# Altium PCB amp.PcbDoc (part 13 of 20)
Units mm, origin at the board's own origin, x right, y up, seen from the top; angles counter-clockwise.
Board outline 210 x 210 mm, 2 copper layers (Top Layer, Bottom Layer); 742 components, 1354 nets, 6402 pads, 5154 vias.
Unrouted connection lines stored in the file: 702.
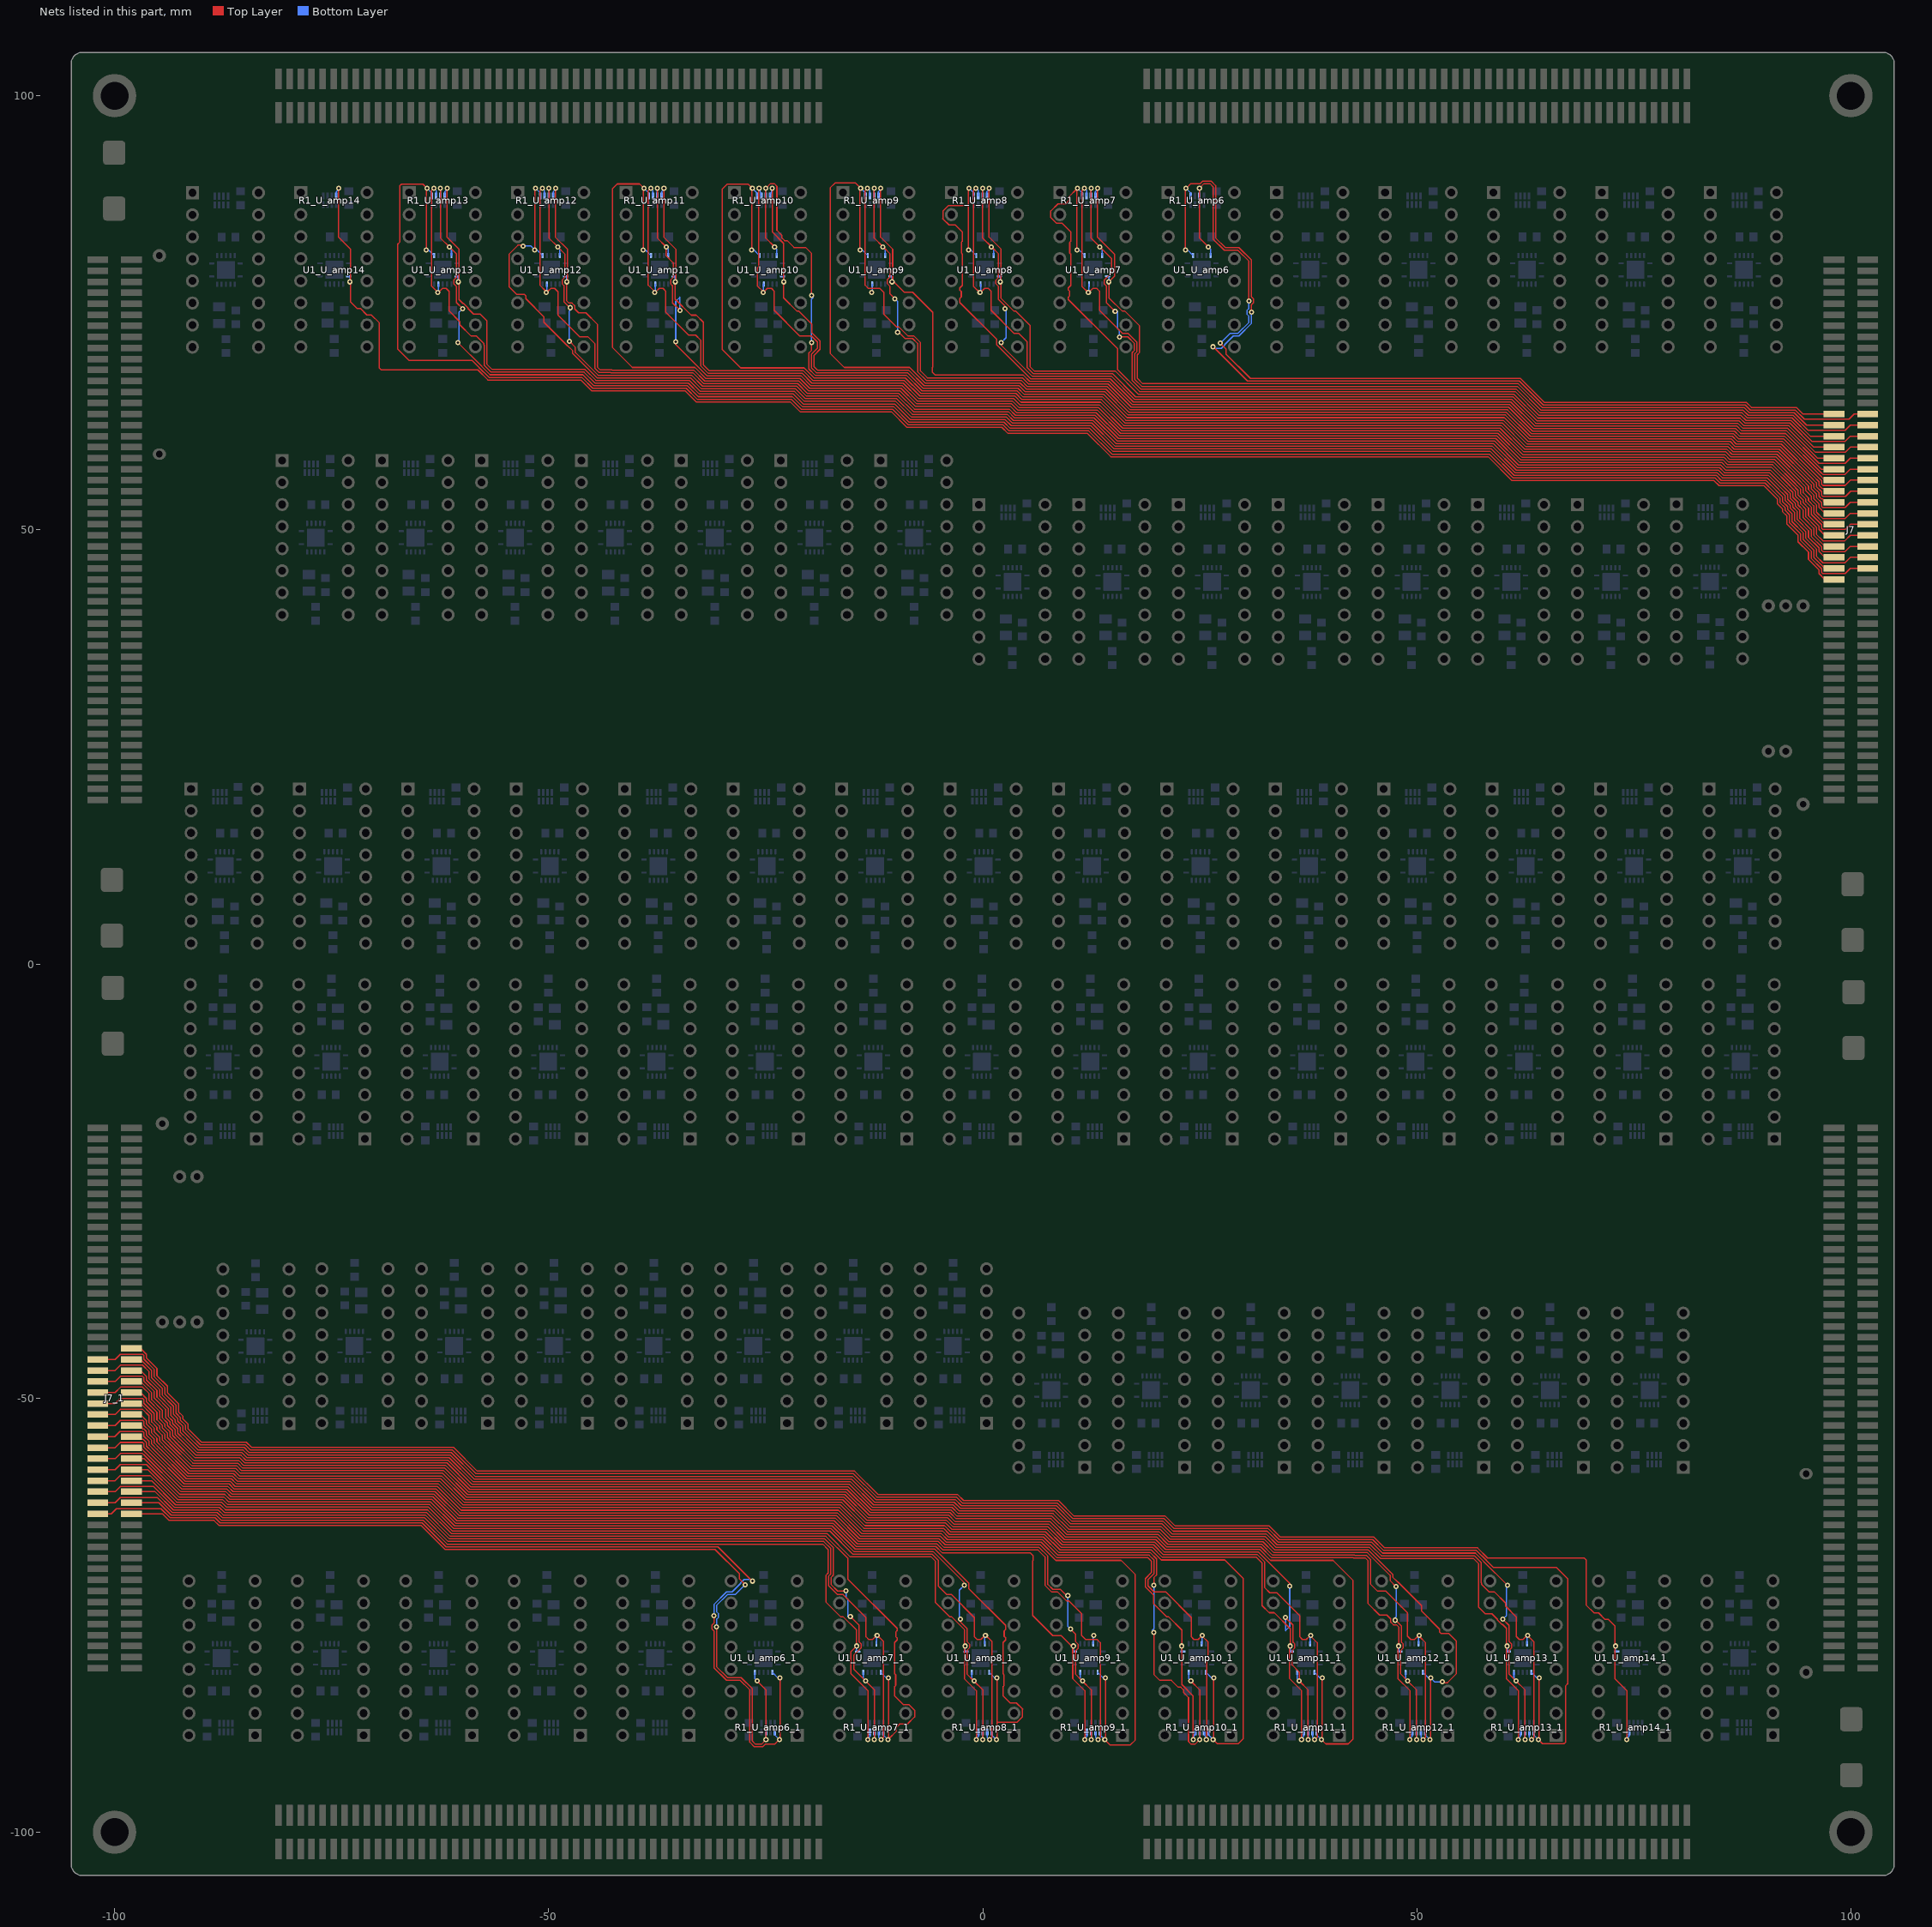
[diagram p13: the nets of this part, all layers, seen from the top]

## Via types
v1: diameter 0.6, hole 0.3, Top Layer to Bottom Layer, tented both sides, 4704 vias
v2: diameter 0.5, hole 0.3, Top Layer to Bottom Layer, 450 vias

## Nets (pads, with @x,y where several pads share a name; then routed paths per layer and width w, separated by ;. In a path a pad name is that pad's centre, name@x,y a point inside that pad or via, vN(x,y) a via of type N, cw(c..) or ccw(c..) an arc to the next point about the centre after c; other vN are vias at no path point) (continued)
NetJ7_42: J7.42 J7_1.42 R1_U_amp14.8 R1_U_amp14_1.8 U1_U_amp14.1 U1_U_amp14_1.1 | length 409.7
  Top Layer w0.15: J7_1.42@-98.05,-44.285 -97.008,-44.285 -96.325,-44.968 -96.325,-45.389 -95.125,-46.589 -95.125,-47.432 -93.925,-48.632 -93.925,-49.394 -92.632,-50.687 -92.632,-51.61 -92.125,-52.118 -92.125,-52.426 -91.525,-53.026 -91.525,-53.561 -89.99,-55.095 -84.823,-55.095 -84.245,-55.674 -60.972,-55.674 -58.224,-58.423 -14.757,-58.423 -12.079,-61.101 -2.913,-61.101 -2.206,-61.808 8.732,-61.808 10.525,-63.602 21.038,-63.602 22.179,-64.743 33.01,-64.743 34.269,-66.002 43.696,-66.002 43.705,-66.011 45.052,-66.011 46.303,-67.261 57.001,-67.261 58.167,-68.428 69.291,-68.428 69.5,-68.636 69.5,-73.843 70.419,-74.762 70.942,-74.762 70.942,-74.758 71.689,-75.504 72.075,-75.504 72.823,-76.252 72.823,-78.482 v1(72.898,-78.557) 72.823,-78.632 72.823,-82.327 74.209,-83.713 74.209,-89.336 v1(74.193,-89.352) ; v1(-74.193,89.352) -74.209,89.336 -74.209,83.713 -72.823,82.327 -72.823,78.632 v1(-72.898,78.557) -72.823,78.482 -72.823,76.252 -72.075,75.504 -71.689,75.504 -70.942,74.758 -70.942,74.762 -70.419,74.762 -69.5,73.843 -69.5,68.636 -69.291,68.428 -58.167,68.428 -57.001,67.261 -46.303,67.261 -45.052,66.011 -43.705,66.011 -43.696,66.002 -34.269,66.002 -33.01,64.743 -22.179,64.743 -21.038,63.602 -10.525,63.602 -8.732,61.808 2.206,61.808 2.913,61.101 12.079,61.101 14.757,58.423 58.224,58.423 60.972,55.674 84.245,55.674 84.823,55.095 89.99,55.095 91.525,53.561 91.525,53.026 92.125,52.426 92.125,52.118 92.632,51.61 92.632,50.687 93.925,49.394 93.925,48.632 95.125,47.432 95.125,46.589 96.325,45.389 96.325,44.968 97.008,44.285 J7.42@98.05,44.285
  Bottom Layer w0.15: R1_U_amp14.8@-74.459,88.455 -74.459,88.959 -74.193,89.225 v1(-74.193,89.352) ; U1_U_amp14.1@-73.035,79.205 -72.898,79.068 v1(-72.898,78.557) ; v1(72.898,-78.557) 72.898,-79.068 U1_U_amp14_1.1@73.035,-79.205 ; v1(74.193,-89.352) 74.193,-89.225 74.459,-88.959 R1_U_amp14_1.8@74.459,-88.455
NetJ7_43: J7.43 J7_1.43 R1_U_amp13.5 R1_U_amp13_1.5 U1_U_amp13.9 U1_U_amp13_1.9 | length 428.5
  Top Layer w0.15: J7_1.43@-101.95,-45.555 -99.938,-45.555 -99.343,-44.96 -96.757,-44.96 -96.625,-45.092 -96.625,-45.513 -95.425,-46.713 -95.425,-47.556 -94.225,-48.756 -94.225,-49.518 -92.932,-50.811 -92.932,-51.735 -92.425,-52.242 -92.425,-52.55 -91.825,-53.15 -91.825,-53.685 -91.073,-54.437 -91.073,-54.441 -90.119,-55.395 -84.948,-55.395 -84.369,-55.974 -61.097,-55.974 -58.348,-58.723 -14.881,-58.723 -12.203,-61.401 -3.038,-61.401 -2.33,-62.108 8.607,-62.108 10.401,-63.902 20.914,-63.902 22.055,-65.043 32.886,-65.043 34.145,-66.302 43.572,-66.302 43.58,-66.311 44.928,-66.311 46.178,-67.561 56.877,-67.561 57.999,-68.684 57.999,-68.7 58.793,-69.494 66.065,-69.494 67.387,-70.816 67.387,-82.905 67.158,-83.134 67.158,-89.611 66.943,-89.825 64.487,-89.825 v1(64.014,-89.352) 64.091,-89.276 v1(64.091,-82.24) ; v1(-64.091,82.24) -64.091,89.276 v1(-64.014,89.352) -64.487,89.825 -66.943,89.825 -67.158,89.611 -67.158,83.134 -67.387,82.905 -67.387,70.816 -66.065,69.494 -58.793,69.494 -57.999,68.7 -57.999,68.684 -56.877,67.561 -46.178,67.561 -44.928,66.311 -43.58,66.311 -43.572,66.302 -34.145,66.302 -32.886,65.043 -22.055,65.043 -20.914,63.902 -10.401,63.902 -8.607,62.108 2.33,62.108 3.038,61.401 12.203,61.401 14.881,58.723 58.348,58.723 61.097,55.974 84.369,55.974 84.948,55.395 90.119,55.395 91.073,54.441 91.073,54.437 91.825,53.685 91.825,53.15 92.425,52.55 92.425,52.242 92.932,51.735 92.932,50.811 94.225,49.518 94.225,48.756 95.425,47.556 95.425,46.713 96.625,45.513 96.625,45.092 96.757,44.96 99.343,44.96 99.938,45.555 J7.43@101.95,45.555
  Bottom Layer w0.15: v1(-64.091,82.24) -63.83,82.24 U1_U_amp13.9@-63.195,81.605 ; v1(-64.014,89.352) -63.469,88.807 R1_U_amp13.5@-63.469,88.455 ; U1_U_amp13_1.9@63.195,-81.605 63.83,-82.24 v1(64.091,-82.24) ; R1_U_amp13_1.5@63.469,-88.455 63.469,-88.807 v1(64.014,-89.352)
NetJ7_44: J7.44 J7_1.44 R1_U_amp13.7 R1_U_amp13_1.7 U1_U_amp13.13 U1_U_amp13_1.13 | length 385.1
  Top Layer w0.15: J7_1.44@-98.05,-45.555 -97.008,-45.555 -95.725,-46.838 -95.725,-47.68 -94.525,-48.88 -94.525,-49.643 -93.232,-50.935 -93.232,-51.859 -92.725,-52.366 -92.725,-52.674 -92.125,-53.274 -92.125,-53.809 -91.373,-54.561 -91.373,-54.565 -90.243,-55.695 -85.072,-55.695 -84.493,-56.274 -61.221,-56.274 -58.473,-59.023 -15.005,-59.023 -12.327,-61.701 -3.162,-61.701 -2.454,-62.408 8.483,-62.408 10.277,-64.202 20.79,-64.202 21.931,-65.343 32.762,-65.343 34.021,-66.602 43.448,-66.602 43.456,-66.611 44.803,-66.611 46.054,-67.861 56.752,-67.861 57.699,-68.808 57.699,-68.824 v1(60.452,-71.577) ; v1(-62.465,89.352) -62.465,83.612 v1(-61.449,82.596) -60.633,81.78 -60.633,79.075 -60.933,78.775 -60.933,78.34 -60.633,78.04 -60.633,76.177 v1(-59.919,75.463) ; v1(-60.452,71.577) -57.699,68.824 -57.699,68.808 -56.752,67.861 -46.054,67.861 -44.803,66.611 -43.456,66.611 -43.448,66.602 -34.021,66.602 -32.762,65.343 -21.931,65.343 -20.79,64.202 -10.277,64.202 -8.483,62.408 2.454,62.408 3.162,61.701 12.327,61.701 15.005,59.023 58.473,59.023 61.221,56.274 84.493,56.274 85.072,55.695 90.243,55.695 91.373,54.565 91.373,54.561 92.125,53.809 92.125,53.274 92.725,52.674 92.725,52.366 93.232,51.859 93.232,50.935 94.525,49.643 94.525,48.88 95.725,47.68 95.725,46.838 97.008,45.555 J7.44@98.05,45.555 ; v1(59.919,-75.463) 60.633,-76.177 60.633,-78.04 60.933,-78.34 60.933,-78.775 60.633,-79.075 60.633,-81.78 v1(61.449,-82.596) 62.465,-83.612 v1(62.465,-89.352)
  Bottom Layer w0.15: R1_U_amp13.7@-62.469,88.455 -62.469,89.348 v1(-62.465,89.352) ; v1(-61.449,82.596) -61.195,82.342 U1_U_amp13.13@-61.195,81.605 ; v1(-60.452,71.577) -60.343,71.686 -60.343,75.039 v1(-59.919,75.463) ; v1(59.919,-75.463) 60.343,-75.039 60.343,-71.686 v1(60.452,-71.577) ; U1_U_amp13_1.13@61.195,-81.605 61.195,-82.342 v1(61.449,-82.596) ; v1(62.465,-89.352) 62.469,-89.348 R1_U_amp13_1.7@62.469,-88.455
NetJ7_45: J7.45 J7_1.45 R1_U_amp13.6 R1_U_amp13_1.6 U1_U_amp13.5 U1_U_amp13_1.5 | length 395.4
  Top Layer w0.15: J7_1.45@-101.95,-46.825 -99.938,-46.825 -99.316,-46.203 -96.784,-46.203 -96.025,-46.962 -96.025,-47.805 -94.825,-49.005 -94.825,-49.767 -93.532,-51.059 -93.532,-51.983 -93.025,-52.491 -93.025,-52.798 -92.425,-53.398 -92.425,-53.934 -91.673,-54.685 -91.673,-54.69 -90.368,-55.995 -85.196,-55.995 -84.617,-56.574 -61.345,-56.574 -58.597,-59.323 -15.13,-59.323 -12.452,-62.001 -3.286,-62.001 -2.578,-62.708 8.359,-62.708 10.153,-64.502 20.665,-64.502 21.806,-65.643 32.637,-65.643 33.896,-66.902 43.324,-66.902 43.332,-66.911 44.679,-66.911 45.93,-68.161 56.628,-68.161 57.399,-68.932 57.399,-71.242 57.467,-71.31 57.467,-71.474 58.307,-72.314 58.928,-72.314 60.223,-73.609 60.223,-73.965 61.468,-75.209 61.468,-77.478 61.802,-77.812 62.237,-77.812 62.737,-77.313 62.77,-77.313 v1(62.77,-77.338) 62.77,-77.38 63.506,-78.116 63.506,-89.073 v1(63.227,-89.352) ; v1(-63.227,89.352) -63.506,89.073 -63.506,78.116 -62.77,77.38 v1(-62.77,77.338) -62.77,77.313 -62.737,77.313 -62.237,77.812 -61.802,77.812 -61.468,77.478 -61.468,75.209 -60.223,73.965 -60.223,73.609 -58.928,72.314 -58.307,72.314 -57.467,71.474 -57.467,71.31 -57.399,71.242 -57.399,68.932 -56.628,68.161 -45.93,68.161 -44.679,66.911 -43.332,66.911 -43.324,66.902 -33.896,66.902 -32.637,65.643 -21.806,65.643 -20.665,64.502 -10.153,64.502 -8.359,62.708 2.578,62.708 3.286,62.001 12.452,62.001 15.13,59.323 58.597,59.323 61.345,56.574 84.617,56.574 85.196,55.995 90.368,55.995 91.673,54.69 91.673,54.685 92.425,53.934 92.425,53.398 93.025,52.798 93.025,52.491 93.532,51.983 93.532,51.059 94.825,49.767 94.825,49.005 96.025,47.805 96.025,46.962 96.784,46.203 99.316,46.203 99.938,46.825 J7.45@101.95,46.825
  Bottom Layer w0.15: v1(-63.227,89.352) -62.969,89.094 R1_U_amp13.6@-62.969,88.455 ; v1(-62.77,77.338) -62.695,77.413 U1_U_amp13.5@-62.695,78.305 ; U1_U_amp13_1.5@62.695,-78.305 62.695,-77.413 v1(62.77,-77.338) ; R1_U_amp13_1.6@62.969,-88.455 62.969,-89.094 v1(63.227,-89.352)
NetJ7_46: J7.46 J7_1.46 R1_U_amp13.8 R1_U_amp13_1.8 U1_U_amp13.1 U1_U_amp13_1.1 | length 381.1
  Top Layer w0.15: J7_1.46@-98.05,-46.825 -97.008,-46.825 -96.325,-47.508 -96.325,-47.929 -95.125,-49.129 -95.125,-49.891 -93.832,-51.184 -93.832,-52.108 -93.325,-52.615 -93.325,-52.923 -92.725,-53.523 -92.725,-54.058 -91.973,-54.809 -91.973,-54.814 -90.492,-56.295 -85.32,-56.295 -84.742,-56.874 -61.47,-56.874 -58.721,-59.623 -15.254,-59.623 -12.576,-62.301 -3.41,-62.301 -2.703,-63.008 8.235,-63.008 10.028,-64.802 20.541,-64.802 21.682,-65.943 32.513,-65.943 33.772,-67.202 43.199,-67.202 43.208,-67.211 44.555,-67.211 45.806,-68.461 56.504,-68.461 57.099,-69.057 57.099,-74.066 57.887,-74.854 58.649,-74.854 59.292,-75.497 59.292,-75.579 59.803,-76.09 59.885,-76.09 60.333,-76.538 60.333,-78.482 v1(60.408,-78.557) 60.333,-78.632 60.333,-82.327 61.719,-83.713 61.719,-89.336 v1(61.703,-89.352) ; v1(-61.703,89.352) -61.719,89.336 -61.719,83.713 -60.333,82.327 -60.333,78.632 v1(-60.408,78.557) -60.333,78.482 -60.333,76.538 -59.885,76.09 -59.803,76.09 -59.292,75.579 -59.292,75.497 -58.649,74.854 -57.887,74.854 -57.099,74.066 -57.099,69.057 -56.504,68.461 -45.806,68.461 -44.555,67.211 -43.208,67.211 -43.199,67.202 -33.772,67.202 -32.513,65.943 -21.682,65.943 -20.541,64.802 -10.028,64.802 -8.235,63.008 2.703,63.008 3.41,62.301 12.576,62.301 15.254,59.623 58.721,59.623 61.47,56.874 84.742,56.874 85.32,56.295 90.492,56.295 91.973,54.814 91.973,54.809 92.725,54.058 92.725,53.523 93.325,52.923 93.325,52.615 93.832,52.108 93.832,51.184 95.125,49.891 95.125,49.129 96.325,47.929 96.325,47.508 97.008,46.825 J7.46@98.05,46.825
  Bottom Layer w0.15: R1_U_amp13.8@-61.969,88.455 -61.969,88.959 -61.703,89.225 v1(-61.703,89.352) ; U1_U_amp13.1@-60.545,79.205 -60.408,79.068 v1(-60.408,78.557) ; v1(60.408,-78.557) 60.408,-79.068 U1_U_amp13_1.1@60.545,-79.205 ; v1(61.703,-89.352) 61.703,-89.225 61.969,-88.959 R1_U_amp13_1.8@61.969,-88.455
NetJ7_47: J7.47 J7_1.47 R1_U_amp12.5 R1_U_amp12_1.5 U1_U_amp12.9 U1_U_amp12_1.9 | length 378
  Top Layer w0.15: J7_1.47@-101.95,-48.095 -99.938,-48.095 -99.343,-47.5 -96.757,-47.5 -96.625,-47.632 -96.625,-48.053 -95.425,-49.253 -95.425,-50.015 -94.132,-51.308 -94.132,-52.232 -93.625,-52.739 -93.625,-53.047 -93.025,-53.647 -93.025,-54.182 -92.308,-54.899 -92.308,-54.903 -90.616,-56.595 -85.445,-56.595 -84.866,-57.174 -61.594,-57.174 -58.845,-59.923 -15.378,-59.923 -12.7,-62.601 -3.535,-62.601 -2.827,-63.308 8.11,-63.308 9.904,-65.102 20.417,-65.102 21.558,-66.243 32.389,-66.243 33.648,-67.502 43.075,-67.502 43.083,-67.511 44.431,-67.511 47.227,-70.307 47.227,-70.62 47.811,-71.205 47.842,-71.205 50.551,-73.913 50.551,-74.541 52.629,-76.618 52.629,-76.962 52.792,-77.125 53.681,-77.125 54.547,-77.991 54.547,-81.667 54.534,-81.667 54.534,-81.788 53.543,-82.779 52.781,-82.779 52.865,-82.695 v1(52.95,-82.695) ; v1(-52.95,82.695) -52.865,82.695 -52.781,82.779 -53.543,82.779 -54.534,81.788 -54.534,81.667 -54.547,81.667 -54.547,77.991 -53.681,77.125 -52.792,77.125 -52.629,76.962 -52.629,76.618 -50.551,74.541 -50.551,73.913 -47.842,71.205 -47.811,71.205 -47.227,70.62 -47.227,70.307 -44.431,67.511 -43.083,67.511 -43.075,67.502 -33.648,67.502 -32.389,66.243 -21.558,66.243 -20.417,65.102 -9.904,65.102 -8.11,63.308 2.827,63.308 3.535,62.601 12.7,62.601 15.378,59.923 58.845,59.923 61.594,57.174 84.866,57.174 85.445,56.595 90.616,56.595 92.308,54.903 92.308,54.899 93.025,54.182 93.025,53.647 93.625,53.047 93.625,52.739 94.132,52.232 94.132,51.308 95.425,50.015 95.425,49.253 96.625,48.053 96.625,47.632 96.757,47.5 99.343,47.5 99.938,48.095 J7.47@101.95,48.095 ; v1(-51.6,82.24) -51.6,89.276 v1(-51.524,89.352) ; v1(51.524,-89.352) 51.6,-89.276 v1(51.6,-82.24)
  Bottom Layer w0.15: v1(-52.95,82.695) -52.055,82.695 v1(-51.6,82.24) -51.34,82.24 U1_U_amp12.9@-50.705,81.605 ; v1(-51.524,89.352) -50.979,88.807 R1_U_amp12.5@-50.979,88.455 ; U1_U_amp12_1.9@50.705,-81.605 51.34,-82.24 v1(51.6,-82.24) 52.055,-82.695 v1(52.95,-82.695) ; R1_U_amp12_1.5@50.979,-88.455 50.979,-88.807 v1(51.524,-89.352)
NetJ7_48: J7.48 J7_1.48 R1_U_amp12.7 R1_U_amp12_1.7 U1_U_amp12.13 U1_U_amp12_1.13 | length 356.9
  Top Layer w0.15: J7_1.48@-98.05,-48.095 -97.008,-48.095 -95.725,-49.378 -95.725,-50.188 -94.525,-51.388 -94.525,-52.263 -93.925,-52.863 -93.925,-53.171 -93.325,-53.771 -93.325,-54.306 -92.608,-55.023 -92.608,-55.028 -90.741,-56.895 -85.569,-56.895 -84.99,-57.474 -61.718,-57.474 -58.97,-60.223 -15.502,-60.223 -12.824,-62.901 -3.659,-62.901 -2.951,-63.608 7.986,-63.608 9.78,-65.402 20.293,-65.402 21.442,-66.551 32.273,-66.551 33.524,-67.802 42.951,-67.802 42.959,-67.811 44.306,-67.811 46.927,-70.431 46.927,-71.031 v1(47.625,-71.73) ; v1(-49.975,89.352) -49.975,83.612 v1(-48.959,82.596) -48.142,81.78 -48.142,79.075 -48.442,78.775 -48.442,78.34 -48.217,78.115 -48.217,76.241 -47.567,75.59 v1(-47.523,75.59) ; v1(-47.625,71.73) -46.927,71.031 -46.927,70.431 -44.306,67.811 -42.959,67.811 -42.951,67.802 -33.524,67.802 -32.273,66.551 -21.442,66.551 -20.293,65.402 -9.78,65.402 -7.986,63.608 2.951,63.608 3.659,62.901 12.824,62.901 15.502,60.223 58.97,60.223 61.718,57.474 84.99,57.474 85.569,56.895 90.741,56.895 92.608,55.028 92.608,55.023 93.325,54.306 93.325,53.771 93.925,53.171 93.925,52.863 94.525,52.263 94.525,51.388 95.725,50.188 95.725,49.378 97.008,48.095 J7.48@98.05,48.095 ; v1(47.523,-75.59) 47.567,-75.59 48.217,-76.241 48.217,-78.115 48.442,-78.34 48.442,-78.775 48.142,-79.075 48.142,-81.78 v1(48.959,-82.596) 49.975,-83.612 v1(49.975,-89.352)
  Bottom Layer w0.15: R1_U_amp12.7@-49.979,88.455 -49.979,89.348 v1(-49.975,89.352) ; v1(-48.959,82.596) -48.705,82.342 U1_U_amp12.13@-48.705,81.605 ; v1(-47.625,71.73) -47.625,75.184 -47.346,75.463 -47.473,75.59 v1(-47.523,75.59) ; v1(47.523,-75.59) 47.473,-75.59 47.346,-75.463 47.625,-75.184 v1(47.625,-71.73) ; U1_U_amp12_1.13@48.705,-81.605 48.705,-82.342 v1(48.959,-82.596) ; v1(49.975,-89.352) 49.979,-89.348 R1_U_amp12_1.7@49.979,-88.455
NetJ7_49: J7.49 J7_1.49 R1_U_amp12.6 R1_U_amp12_1.6 U1_U_amp12.5 U1_U_amp12_1.5 | length 367.4
  Top Layer w0.15: J7_1.49@-101.95,-49.365 -99.938,-49.365 -99.316,-48.743 -96.784,-48.743 -96.025,-49.502 -96.025,-50.312 -94.825,-51.512 -94.825,-52.388 -94.225,-52.988 -94.225,-53.295 -93.625,-53.895 -93.625,-54.431 -93.025,-55.031 -93.025,-55.035 -90.865,-57.195 -85.693,-57.195 -85.114,-57.774 -61.842,-57.774 -59.094,-60.523 -15.627,-60.523 -12.949,-63.201 -3.783,-63.201 -3.075,-63.908 7.862,-63.908 9.656,-65.702 20.168,-65.702 21.318,-66.851 32.149,-66.851 33.399,-68.102 42.826,-68.102 42.835,-68.111 44.182,-68.111 44.691,-68.619 44.691,-71.462 45.441,-72.212 46.406,-72.212 48.92,-74.727 48.92,-77.421 49.312,-77.812 49.747,-77.812 50.052,-77.507 50.343,-77.507 51.016,-78.181 51.016,-89.073 v1(50.737,-89.352) ; v1(-50.737,89.352) -51.016,89.073 -51.016,78.181 -50.343,77.507 -50.052,77.507 -49.747,77.812 -49.312,77.812 -48.92,77.421 -48.92,74.727 -46.406,72.212 -45.441,72.212 -44.691,71.462 -44.691,68.619 -44.182,68.111 -42.835,68.111 -42.826,68.102 -33.399,68.102 -32.149,66.851 -21.318,66.851 -20.168,65.702 -9.656,65.702 -7.862,63.908 3.075,63.908 3.783,63.201 12.949,63.201 15.627,60.523 59.094,60.523 61.842,57.774 85.114,57.774 85.693,57.195 90.865,57.195 93.025,55.035 93.025,55.031 93.625,54.431 93.625,53.895 94.225,53.295 94.225,52.988 94.825,52.388 94.825,51.512 96.025,50.312 96.025,49.502 96.784,48.743 99.316,48.743 99.938,49.365 J7.49@101.95,49.365
  Bottom Layer w0.15: v1(-50.737,89.352) -50.479,89.094 R1_U_amp12.6@-50.479,88.455 ; v1(-50.28,77.338) -50.205,77.413 U1_U_amp12.5@-50.205,78.305 ; U1_U_amp12_1.5@50.205,-78.305 50.205,-77.413 v1(50.28,-77.338) ; R1_U_amp12_1.6@50.479,-88.455 50.479,-89.094 v1(50.737,-89.352)
NetJ7_50: J7.50 J7_1.50 R1_U_amp12.8 R1_U_amp12_1.8 U1_U_amp12.1 U1_U_amp12_1.1 | length 353.6
  Top Layer w0.15: J7_1.50@-98.05,-49.365 -97.008,-49.365 -96.325,-50.048 -96.325,-50.436 -95.125,-51.636 -95.125,-52.512 -94.525,-53.112 -94.525,-53.42 -93.925,-54.02 -93.925,-54.555 -93.325,-55.155 -93.325,-55.159 -90.989,-57.495 -85.818,-57.495 -85.239,-58.074 -61.967,-58.074 -59.218,-60.823 -15.751,-60.823 -13.073,-63.501 -3.907,-63.501 -3.2,-64.208 7.737,-64.208 9.531,-66.002 20.044,-66.002 21.193,-67.151 32.024,-67.151 33.275,-68.402 42.702,-68.402 42.711,-68.411 44.058,-68.411 44.391,-68.744 44.391,-73.677 45.72,-75.006 46.558,-75.006 46.998,-75.446 46.998,-75.808 47.306,-76.115 47.667,-76.115 47.917,-76.365 v1(47.917,-78.557) 47.842,-78.632 47.842,-82.327 49.229,-83.713 49.229,-89.336 v1(49.213,-89.352) ; v1(-49.213,89.352) -49.229,89.336 -49.229,83.713 -47.842,82.327 -47.842,78.632 v1(-47.917,78.557) -47.917,76.365 -47.667,76.115 -47.306,76.115 -46.998,75.808 -46.998,75.446 -46.558,75.006 -45.72,75.006 -44.391,73.677 -44.391,68.744 -44.058,68.411 -42.711,68.411 -42.702,68.402 -33.275,68.402 -32.024,67.151 -21.193,67.151 -20.044,66.002 -9.531,66.002 -7.737,64.208 3.2,64.208 3.907,63.501 13.073,63.501 15.751,60.823 59.218,60.823 61.967,58.074 85.239,58.074 85.818,57.495 90.989,57.495 93.325,55.159 93.325,55.155 93.925,54.555 93.925,54.02 94.525,53.42 94.525,53.112 95.125,52.512 95.125,51.636 96.325,50.436 96.325,50.048 97.008,49.365 J7.50@98.05,49.365
  Bottom Layer w0.15: R1_U_amp12.8@-49.479,88.455 -49.479,88.959 -49.213,89.225 v1(-49.213,89.352) ; U1_U_amp12.1@-48.055,79.205 -47.917,79.068 v1(-47.917,78.557) ; v1(47.917,-78.557) 47.917,-79.068 U1_U_amp12_1.1@48.055,-79.205 ; v1(49.213,-89.352) 49.213,-89.225 49.479,-88.959 R1_U_amp12_1.8@49.479,-88.455
NetJ7_51: J7.51 J7_1.51 R1_U_amp11.5 R1_U_amp11_1.5 U1_U_amp11.9 U1_U_amp11_1.9 | length 373.1
  Top Layer w0.15: J7_1.51@-101.95,-50.635 -99.938,-50.635 -99.343,-50.04 -96.757,-50.04 -96.625,-50.172 -96.625,-50.593 -95.437,-51.781 -95.437,-52.202 -95.425,-52.215 -95.425,-52.636 -94.825,-53.236 -94.825,-53.544 -94.225,-54.144 -94.225,-54.679 -93.625,-55.279 -93.625,-55.284 -91.113,-57.795 -85.942,-57.795 -85.363,-58.374 -62.091,-58.374 -59.342,-61.123 -15.875,-61.123 -13.197,-63.801 -4.032,-63.801 -3.324,-64.508 7.613,-64.508 9.407,-66.302 19.92,-66.302 21.069,-67.451 31.9,-67.451 33.151,-68.702 40.356,-68.702 42.672,-71.018 42.672,-89.281 42.113,-89.84 39.521,-89.84 v1(39.034,-89.352) 39.11,-89.276 v1(39.11,-82.24) ; v1(-39.11,82.24) -39.11,89.276 v1(-39.034,89.352) -39.521,89.84 -42.113,89.84 -42.672,89.281 -42.672,71.018 -40.356,68.702 -33.151,68.702 -31.9,67.451 -21.069,67.451 -19.92,66.302 -9.407,66.302 -7.613,64.508 3.324,64.508 4.032,63.801 13.197,63.801 15.875,61.123 59.342,61.123 62.091,58.374 85.363,58.374 85.942,57.795 91.113,57.795 93.625,55.284 93.625,55.279 94.225,54.679 94.225,54.144 94.825,53.544 94.825,53.236 95.425,52.636 95.425,52.215 95.437,52.202 95.437,51.781 96.625,50.593 96.625,50.172 96.757,50.04 99.343,50.04 99.938,50.635 J7.51@101.95,50.635
  Bottom Layer w0.15: v1(-39.11,82.24) -38.85,82.24 U1_U_amp11.9@-38.215,81.605 ; v1(-39.034,89.352) -38.489,88.807 R1_U_amp11.5@-38.489,88.455 ; U1_U_amp11_1.9@38.215,-81.605 38.85,-82.24 v1(39.11,-82.24) ; R1_U_amp11_1.5@38.489,-88.455 38.489,-88.807 v1(39.034,-89.352)
NetJ7_52: J7.52 J7_1.52 R1_U_amp11.7 R1_U_amp11_1.7 U1_U_amp11.13 U1_U_amp11_1.13 | length 335.2
  Top Layer w0.15: J7_1.52@-98.05,-50.635 -97.008,-50.635 -95.737,-51.905 -95.737,-52.327 -95.725,-52.339 -95.725,-52.76 -95.125,-53.36 -95.125,-53.668 -94.525,-54.268 -94.525,-54.803 -93.925,-55.403 -93.925,-55.408 -91.238,-58.095 -86.066,-58.095 -85.487,-58.674 -62.215,-58.674 -59.467,-61.423 -15.999,-61.423 -13.321,-64.101 -4.156,-64.101 -3.448,-64.808 7.489,-64.808 9.283,-66.602 19.796,-66.602 20.945,-67.751 31.776,-67.751 35.382,-71.358 v1(35.382,-71.679) ; v1(-37.485,89.352) -37.485,83.612 v1(-36.469,82.596) -36.469,81.582 -35.652,80.765 -35.652,79.075 -35.952,78.775 -35.952,78.34 -35.727,78.115 -35.727,76.139 v1(-34.874,75.286) ; v1(-35.382,71.679) -35.382,71.358 -31.776,67.751 -20.945,67.751 -19.796,66.602 -9.283,66.602 -7.489,64.808 3.448,64.808 4.156,64.101 13.321,64.101 15.999,61.423 59.467,61.423 62.215,58.674 85.487,58.674 86.066,58.095 91.238,58.095 93.925,55.408 93.925,55.403 94.525,54.803 94.525,54.268 95.125,53.668 95.125,53.36 95.725,52.76 95.725,52.339 95.737,52.327 95.737,51.905 97.008,50.635 J7.52@98.05,50.635 ; v1(34.874,-75.286) 35.727,-76.139 35.727,-78.115 35.952,-78.34 35.952,-78.775 35.652,-79.075 35.652,-80.765 36.469,-81.582 v1(36.469,-82.596) 37.485,-83.612 v1(37.485,-89.352)